# KiCad board helios-panel.kicad_pcb (continued)
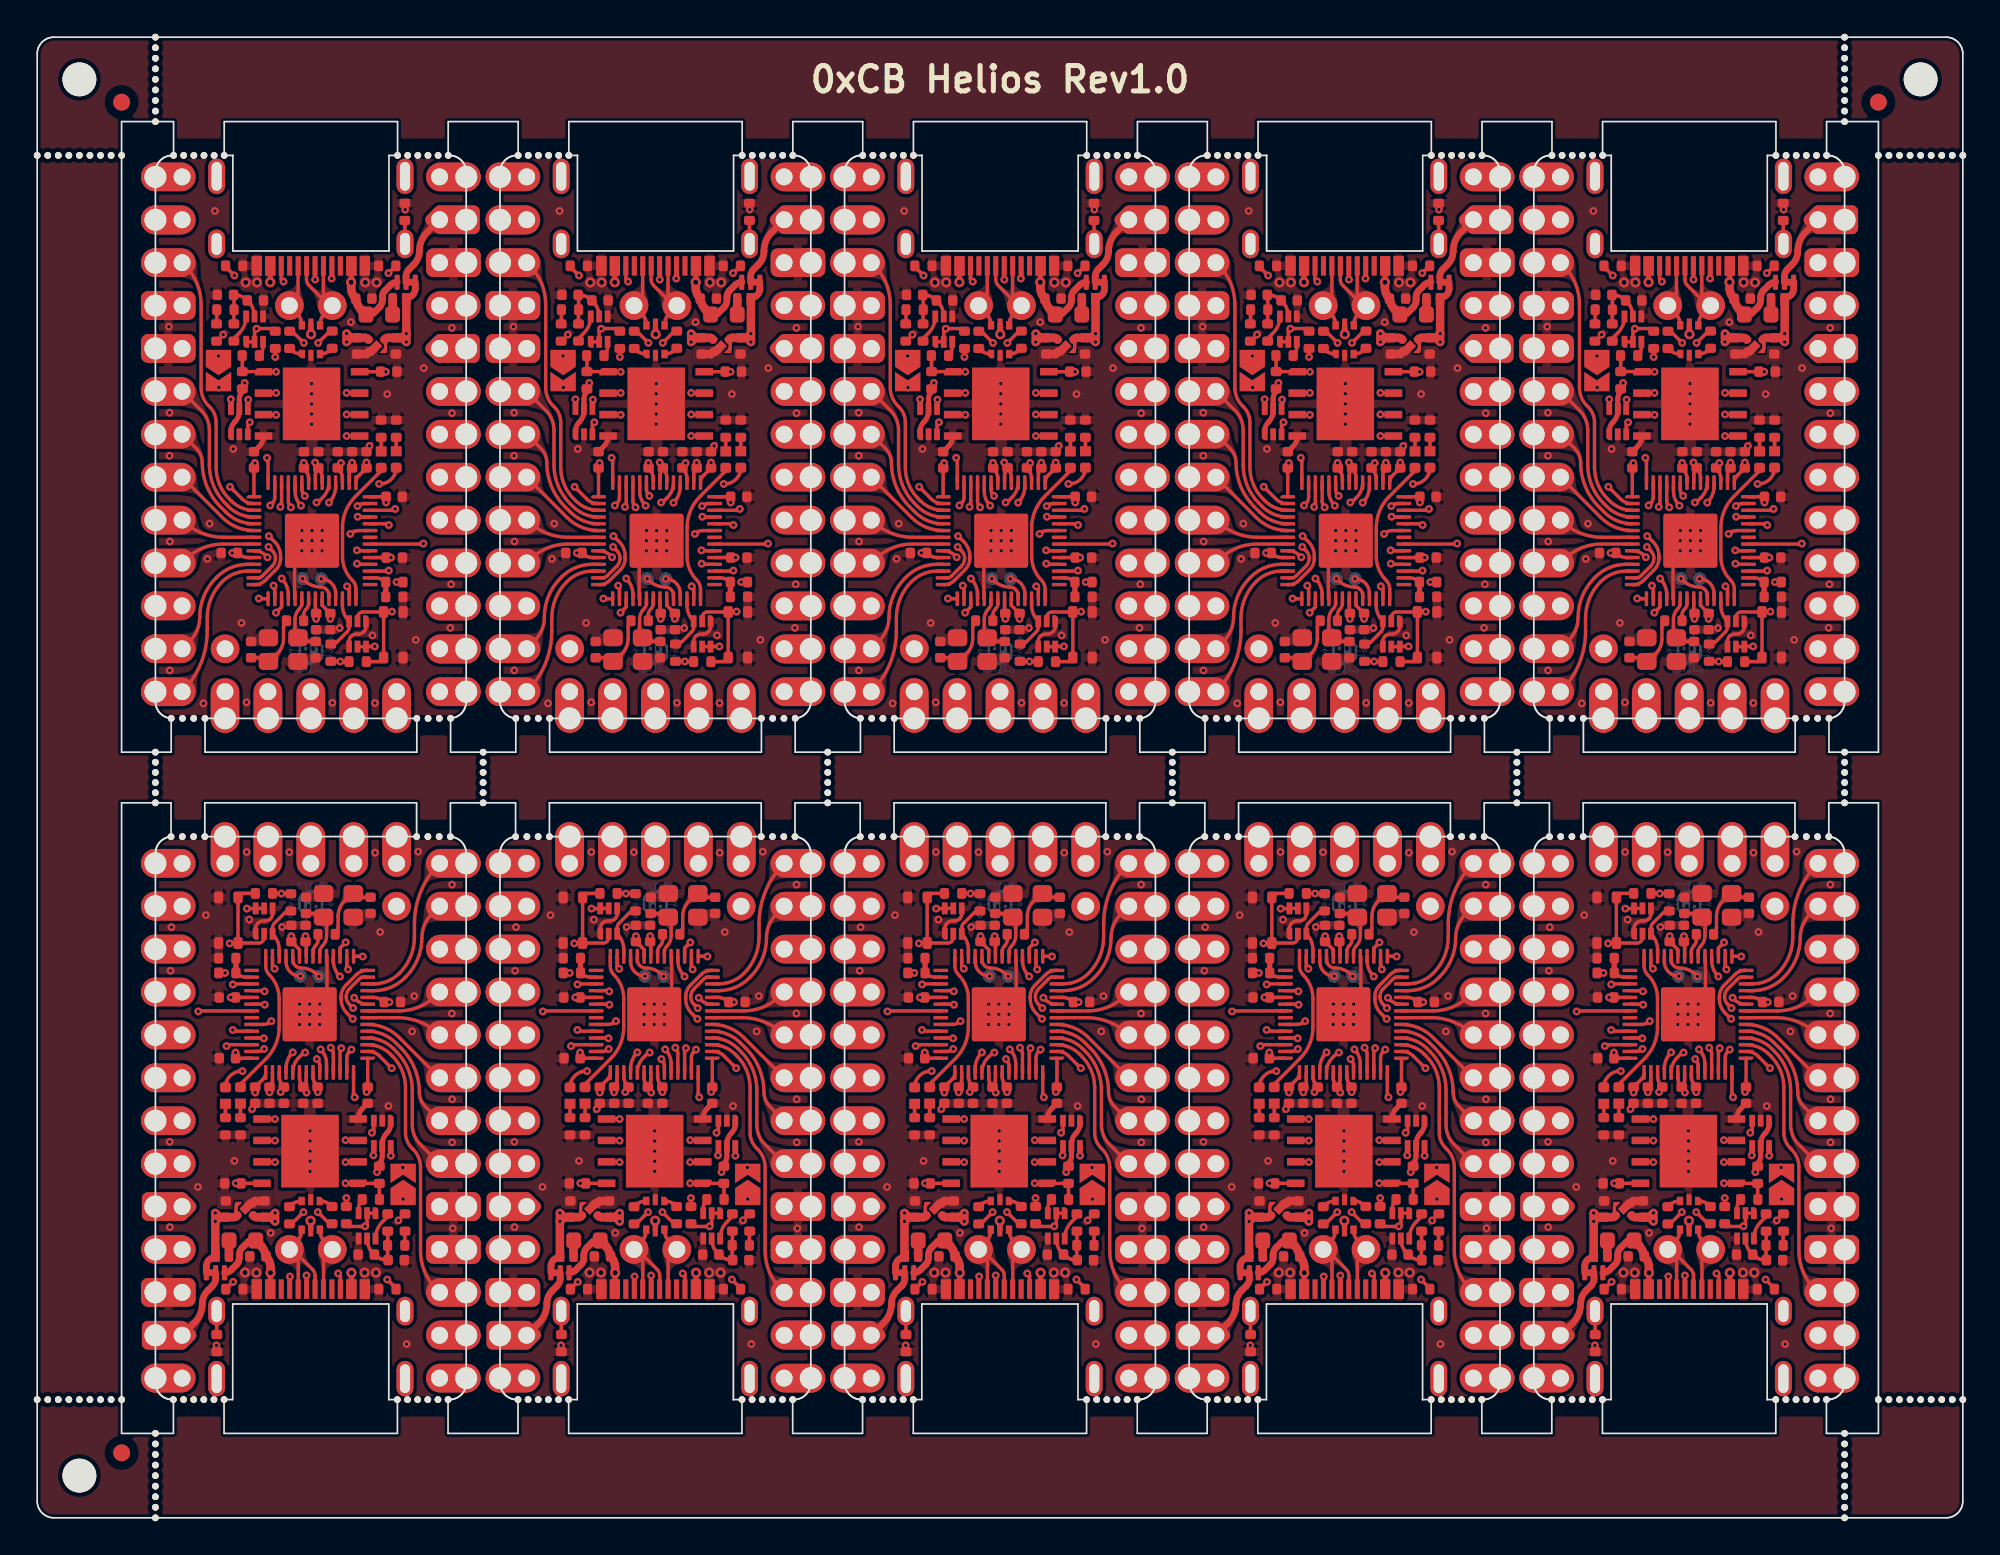
[diagram p0: board, top side]
## Copper pours and planes (outline as drawn; the poured copper is in the pictures) (continued)
Board_8-/PORT+ on Top: 78.25,14.35 78.27,14.51 78.3,14.63 78.35,14.73 78.41,14.81 78.49,14.87 78.59,14.92 78.69,14.97 78.81,15.02 78.93,15.07 79.06,15.13 78.93,16.23 77.82,15.89 77.83,15.7 77.84,15.54 77.87,15.4 77.9,15.28 77.97,15.03 78,14.9 78.03,14.75 78.05,14.57 78.06,14.35
Board_8-/PORT+ on In1.Cu: 77.46,14.7 77.6,14.83 77.74,14.92 77.86,14.98 77.98,15.01 78.1,15.02 78.23,15.02 78.36,15.02 78.5,15.02 78.66,15.03 78.84,15.06 79.01,16.15 77.91,16.28 77.83,16.1 77.78,15.94 77.75,15.8 77.7,15.54 77.67,15.41 77.63,15.28 77.56,15.14 77.46,15 77.32,14.84
Board_8-/PORT- on Top: 76.75,14.36 76.76,14.58 76.78,14.75 76.8,14.91 76.83,15.04 76.9,15.28 76.93,15.4 76.96,15.54 76.97,15.7 76.98,15.89 75.87,16.23 75.75,15.13 75.88,15.07 76.12,14.97 76.23,14.92 76.32,14.87 76.4,14.81 76.47,14.73 76.51,14.64 76.54,14.51 76.56,14.36
Board_8-/PORT- on Top: 77.49,14.86 77.35,15.01 77.25,15.16 77.18,15.29 77.13,15.42 77.1,15.55 77.05,15.82 77.02,15.96 76.96,16.12 76.88,16.29 75.79,16.14 75.98,15.05 76.15,15.03 76.31,15.02 76.45,15.03 76.58,15.03 76.71,15.03 76.83,15.02 76.95,14.99 77.07,14.93 77.2,14.84 77.35,14.72
Board_8-/PORT- on Top: 76.76,17.06 76.75,16.99 76.74,16.92 76.71,16.86 76.69,16.8 76.66,16.75 76.63,16.71 76.55,16.63 75.87,15.55 76.74,16.48 76.82,16.6 76.85,16.66 76.88,16.72 76.91,16.8 76.93,16.88 76.95,16.97 76.96,17.06
Board_8-/RAW on Top: 70.69,12.19 70.61,12.02 70.53,11.89 70.44,11.79 70.34,11.72 70.24,11.66 70.12,11.62 69.99,11.59 69.86,11.56 69.71,11.52 69.55,11.47 69.53,10.56 70.44,10.58 70.51,10.76 70.57,10.91 70.62,11.04 70.68,11.16 70.79,11.39 70.85,11.52 70.91,11.67 70.98,11.84 71.06,12.05
Board_8-/RESET on In2.Cu: 70.68,17.31 70.58,17.15 70.48,17.03 70.38,16.94 70.27,16.88 70.15,16.85 70.03,16.82 69.9,16.8 69.75,16.77 69.6,16.73 69.44,16.67 69.5,15.57 70.6,15.68 70.64,15.86 70.66,16.03 70.67,16.17 70.67,16.31 70.67,16.44 70.67,16.57 70.68,16.7 70.71,16.85 70.77,17.02 70.86,17.22
Board_8-/RGB_5V on In2.Cu: 82.22,34.52 82.31,34.71 82.41,34.87 82.5,34.99 82.59,35.1 82.69,35.19 82.78,35.27 82.88,35.37 82.98,35.47 83.09,35.6 83.2,35.76 82.52,36.63 81.68,35.92 81.74,35.76 81.82,35.62 81.9,35.5 81.97,35.39 82.04,35.28 82.09,35.17 82.12,35.05 82.12,34.92 82.1,34.77 82.03,34.6
Board_8-GND on Top: 71.81,18.28 71.81,19.28 75.19,19.28 75.19,18.28
Board_8-GND on Top, Bottom: 89.08,2.79 64.58,2.79 64.58,42.29 89.08,42.29
Board_8-Net-(C8-Pad2) on Top: 79.21,36.07 79.26,36.18 79.32,36.26 79.39,36.32 79.46,36.37 79.54,36.39 79.62,36.41 79.71,36.42 79.81,36.44 79.91,36.45 80.02,36.47 80.1,37.12 79.45,37.15 79.02,36.15
Board_8-Net-(J1-SHIELD) on Top: 71.93,11.25 71.94,11.36 71.95,11.46 71.97,11.54 72.01,11.61 72.04,11.67 72.09,11.73 72.13,11.79 72.18,11.86 72.23,11.93 72.28,12.03 71.82,12.49 71.38,12.02 71.43,11.93 71.48,11.85 71.53,11.78 71.57,11.73 71.62,11.67 71.65,11.61 71.68,11.54 71.71,11.46 71.72,11.36 71.73,11.25
Board_8-Net-(U4-XTAL_IN) on Top: 78.44,34.59 78.44,34.72 78.45,34.83 78.48,34.92 78.5,35 78.53,35.07 78.56,35.14 78.59,35.22 78.62,35.3 78.64,35.4 78.66,35.51 78.07,35.79 77.81,35.2 77.88,35.14 77.95,35.08 78.01,35.04 78.06,34.99 78.11,34.95 78.15,34.9 78.19,34.84 78.21,34.77 78.23,34.69 78.23,34.59
Board_9-+3V3 on In1.Cu, In2.Cu: 110.47,3.79 85.97,3.79 85.97,43.29 110.47,43.29
Board_9-/0_TX0 on In1.Cu: 104.62,12.37 104.72,12.2 104.78,12.05 104.8,11.91 104.8,11.78 104.78,11.66 104.74,11.53 104.7,11.4 104.65,11.26 104.61,11.1 104.58,10.92 105.55,10.41 106.03,11.4 105.88,11.54 105.75,11.65 105.62,11.74 105.5,11.81 105.39,11.88 105.27,11.96 105.16,12.04 105.04,12.16 104.92,12.3 104.79,12.48
Board_9-/1_RX0 on Top: 104.38,14.71 104.45,14.51 104.49,14.33 104.51,14.18 104.52,14.04 104.52,13.91 104.52,13.78 104.52,13.64 104.53,13.5 104.55,13.34 104.59,13.15 105.69,13.02 105.77,14.12 105.61,14.19 105.46,14.23 105.31,14.25 105.18,14.28 105.05,14.3 104.93,14.34 104.82,14.4 104.73,14.49 104.64,14.61 104.57,14.78
Board_9-/2_SDA1 on Top: 103.77,22.81 103.85,22.52 103.94,22.27 104.03,22.07 104.11,21.89 104.19,21.73 104.28,21.57 104.36,21.41 104.44,21.22 104.52,21.01 104.6,20.75 105.72,20.67 105.7,21.77 105.45,21.85 105.21,21.91 104.99,21.95 104.79,22 104.61,22.06 104.44,22.14 104.29,22.25 104.16,22.4 104.05,22.6 103.96,22.86
Board_9-/3_SCL1 on Top: 104.13,25.09 104.16,24.86 104.2,24.66 104.25,24.5 104.3,24.36 104.36,24.23 104.41,24.1 104.46,23.96 104.51,23.82 104.55,23.64 104.57,23.43 105.72,23.21 105.7,24.31 105.5,24.37 105.31,24.41 105.12,24.44 104.95,24.47 104.79,24.5 104.65,24.56 104.53,24.63 104.44,24.75 104.37,24.9 104.33,25.11
Board_9-/4 on Top: 104.15,27.17 104.29,27.02 104.38,26.89 104.44,26.76 104.48,26.63 104.5,26.51 104.51,26.38 104.52,26.25 104.54,26.1 104.57,25.95 104.62,25.77 105.72,25.75 105.7,26.85 105.52,26.9 105.37,26.93 105.22,26.95 105.09,26.96 104.96,26.97 104.84,26.99 104.71,27.03 104.58,27.09 104.45,27.18 104.3,27.32
Board_9-/5 on Top: 103.95,29.36 104.12,29.3 104.24,29.22 104.34,29.13 104.4,29.03 104.45,28.92 104.48,28.79 104.51,28.66 104.54,28.52 104.59,28.37 104.66,28.22 105.75,28.33 105.6,29.42 105.41,29.45 105.24,29.47 105.09,29.47 104.96,29.46 104.83,29.46 104.7,29.45 104.56,29.45 104.4,29.46 104.22,29.5 104.01,29.55
Board_9-/6 on Top: 104.06,30.09 104.27,30.15 104.45,30.19 104.6,30.22 104.74,30.23 104.87,30.23 105,30.23 105.13,30.23 105.27,30.24 105.44,30.26 105.63,30.31 105.75,31.4 104.65,31.48 104.58,31.32 104.54,31.16 104.52,31.02 104.49,30.88 104.47,30.75 104.43,30.64 104.37,30.53 104.29,30.43 104.16,30.35 104,30.28
Board_9-/7 on In2.Cu: 103.78,33.3 103.96,33.35 104.12,33.37 104.25,33.35 104.37,33.31 104.48,33.26 104.59,33.19 104.7,33.11 104.82,33.03 104.95,32.95 105.11,32.88 105.84,33.7 104.99,34.4 104.83,34.3 104.7,34.2 104.59,34.1 104.5,34 104.41,33.91 104.31,33.82 104.21,33.73 104.08,33.65 103.92,33.57 103.72,33.49
Board_9-/8 on Top: 104.54,34.82 104.6,34.99 104.67,35.11 104.77,35.19 104.87,35.25 104.99,35.28 105.13,35.3 105.27,35.32 105.42,35.34 105.58,35.37 105.74,35.42 105.7,36.53 104.6,36.42 104.55,36.24 104.52,36.08 104.5,35.93 104.49,35.8 104.47,35.55 104.45,35.41 104.43,35.26 104.39,35.08 104.34,34.87
Board_9-/9 on Top: 104.53,37.33 104.62,37.49 104.72,37.61 104.82,37.7 104.93,37.75 105.05,37.79 105.17,37.82 105.31,37.84 105.45,37.87 105.6,37.91 105.77,37.97 105.69,39.07 104.6,38.96 104.56,38.77 104.54,38.61 104.53,38.46 104.53,38.33 104.54,38.2 104.53,38.07 104.52,37.93 104.49,37.78 104.43,37.61 104.35,37.41
Board_9-/10 on In2.Cu: 104.39,9.64 104.47,9.44 104.51,9.26 104.54,9.11 104.55,8.97 104.54,8.84 104.54,8.71 104.53,8.57 104.54,8.43 104.56,8.26 104.59,8.07 105.69,7.94 105.78,9.04 105.62,9.11 105.47,9.15 105.32,9.18 105.19,9.21 105.07,9.24 104.95,9.28 104.85,9.34 104.75,9.43 104.66,9.55 104.58,9.72
Board_9-/11 on In1.Cu: 91.01,9.72 90.93,9.55 90.85,9.43 90.75,9.34 90.64,9.28 90.53,9.24 90.41,9.21 90.27,9.18 90.13,9.15 89.98,9.1 89.82,9.04 89.91,7.94 91.01,8.07 91.04,8.26 91.06,8.43 91.06,8.58 91.06,8.71 91.05,8.84 91.05,8.97 91.06,9.11 91.08,9.26 91.13,9.44 91.2,9.64
Board_9-/12 on In1.Cu: 101.93,37.36 102.03,37.52 102.14,37.63 102.25,37.71 102.37,37.77 102.49,37.8 102.61,37.82 102.74,37.84 102.89,37.87 103.04,37.91 103.21,37.97 103.16,39.07 102.06,38.98 102.02,38.79 102,38.63 101.99,38.49 101.99,38.22 101.98,38.09 101.96,37.96 101.92,37.81 101.85,37.65 101.75,37.46
Board_9-/13 on In1.Cu: 100.44,37.06 100.45,37.26 100.48,37.42 100.53,37.56 100.59,37.67 100.67,37.78 100.75,37.87 100.84,37.97 100.93,38.09 101.02,38.22 101.11,38.38 100.34,39.17 99.58,38.38 99.66,38.22 99.75,38.09 99.84,37.97 99.93,37.87 100.01,37.78 100.09,37.67 100.15,37.56 100.2,37.42 100.23,37.26 100.24,37.06
Board_9-/14 on In1.Cu: 98.97,37.5 98.87,37.68 98.8,37.84 98.75,37.98 98.73,38.12 98.71,38.24 98.7,38.51 98.69,38.65 98.66,38.81 98.61,38.99 97.51,39.06 97.49,37.96 97.66,37.9 97.81,37.87 97.96,37.85 98.1,37.83 98.22,37.81 98.34,37.78 98.46,37.74 98.58,37.66 98.69,37.55 98.8,37.39
Board_9-/15 on In1.Cu: 96.53,37.63 96.39,37.78 96.3,37.91 96.24,38.04 96.2,38.17 96.18,38.29 96.17,38.42 96.16,38.55 96.14,38.7 96.11,38.85 96.06,39.03 94.96,39.05 94.98,37.95 95.16,37.9 95.31,37.87 95.46,37.85 95.59,37.84 95.72,37.83 95.84,37.81 95.97,37.77 96.1,37.71 96.23,37.62 96.38,37.48
Board_9-/16 on In1.Cu: 93.97,37.58 93.85,37.74 93.76,37.89 93.71,38.03 93.67,38.16 93.65,38.29 93.64,38.41 93.63,38.55 93.61,38.69 93.58,38.85 93.52,39.03 92.42,39.05 92.44,37.95 92.62,37.9 92.77,37.87 92.92,37.85 93.06,37.84 93.19,37.83 93.31,37.81 93.43,37.77 93.55,37.7 93.68,37.6 93.81,37.45
Board_9-/20_SDI on In1.Cu: 91.45,32.55 91.31,32.7 91.22,32.83 91.16,32.96 91.12,33.09 91.1,33.21 91.09,33.34 91.08,33.47 91.06,33.62 91.03,33.77 90.98,33.95 89.88,33.97 89.9,32.87 90.08,32.82 90.23,32.79 90.38,32.77 90.51,32.76 90.64,32.75 90.76,32.73 90.89,32.69 91.02,32.63 91.15,32.54 91.3,32.4
Board_9-/21_CS on In1.Cu: 91.45,37.63 91.31,37.78 91.22,37.91 91.16,38.04 91.12,38.17 91.1,38.29 91.09,38.42 91.08,38.55 91.06,38.7 91.03,38.85 90.98,39.03 89.88,39.05 89.9,37.95 90.08,37.9 90.23,37.87 90.38,37.85 90.51,37.84 90.64,37.83 90.76,37.81 90.89,37.77 91.02,37.71 91.15,37.62 91.3,37.48
Board_9-/22_SCK on In1.Cu: 91.69,30.47 91.52,30.51 91.39,30.57 91.29,30.65 91.22,30.74 91.17,30.85 91.13,30.97 91.09,31.1 91.05,31.23 91,31.38 90.93,31.53 89.84,31.38 90.05,30.29 90.24,30.27 90.41,30.26 90.55,30.26 90.69,30.27 90.95,30.3 91.09,30.31 91.25,30.31 91.43,30.3 91.65,30.27
Board_9-/23_SDO on In2.Cu: 91.2,34.84 91.14,35.05 91.1,35.22 91.08,35.38 91.08,35.52 91.07,35.65 91.08,35.78 91.07,35.91 91.07,36.06 91.05,36.22 91.01,36.41 89.91,36.54 89.82,35.44 89.99,35.38 90.14,35.33 90.28,35.31 90.42,35.28 90.55,35.25 90.66,35.22 90.77,35.16 90.86,35.07 90.94,34.94 91.01,34.78
Board_9-/A0 on In1.Cu: 91.83,28.98 91.61,29 91.42,29.03 91.27,29.07 91.13,29.12 91.01,29.18 90.89,29.25 90.77,29.31 90.62,29.36 90.46,29.41 90.26,29.44 89.78,28.44 90.79,28 90.9,28.12 90.99,28.24 91.14,28.46 91.22,28.55 91.3,28.63 91.4,28.69 91.51,28.74 91.66,28.77 91.83,28.78
Board_9-/A1 on In1.Cu: 91.3,27.32 91.15,27.18 91.02,27.09 90.89,27.03 90.76,26.99 90.64,26.97 90.51,26.96 90.38,26.95 90.23,26.93 90.08,26.9 89.9,26.85 89.88,25.75 90.98,25.77 91.03,25.95 91.06,26.1 91.08,26.25 91.09,26.38 91.1,26.51 91.12,26.63 91.16,26.76 91.22,26.89 91.31,27.02 91.45,27.17
Board_9-/A2 on In1.Cu: 91.3,24.78 91.15,24.64 91.02,24.55 90.89,24.49 90.76,24.45 90.64,24.43 90.51,24.42 90.38,24.41 90.23,24.39 90.08,24.36 89.9,24.31 89.88,23.21 90.98,23.23 91.03,23.41 91.06,23.56 91.08,23.71 91.09,23.84 91.1,23.97 91.12,24.09 91.16,24.22 91.22,24.35 91.31,24.48 91.45,24.63
Board_9-/A3 on In1.Cu: 91.3,22.24 91.15,22.1 91.02,22.01 90.89,21.95 90.76,21.91 90.64,21.89 90.51,21.88 90.38,21.87 90.23,21.85 90.08,21.82 89.9,21.77 89.88,20.67 90.98,20.69 91.03,20.87 91.06,21.02 91.08,21.17 91.09,21.3 91.1,21.43 91.12,21.55 91.16,21.68 91.22,21.81 91.31,21.94 91.45,22.09
Board_9-/PORT+ on Top: 98.23,17.06 98.24,16.97 98.26,16.88 98.28,16.8 98.31,16.72 98.35,16.65 98.38,16.6 98.46,16.48 99.33,15.56 98.64,16.62 98.56,16.71 98.53,16.75 98.5,16.8 98.48,16.86 98.45,16.92 98.44,16.99 98.43,17.06
Board_9-/PORT+ on Top: 98.66,14.35 98.67,14.51 98.7,14.63 98.75,14.73 98.81,14.81 98.89,14.87 98.99,14.92 99.09,14.97 99.21,15.02 99.33,15.07 99.46,15.13 99.33,16.23 98.22,15.89 98.23,15.7 98.24,15.54 98.27,15.4 98.3,15.28 98.37,15.03 98.4,14.9 98.43,14.75 98.45,14.57 98.45,14.35
Board_9-/PORT+ on In1.Cu: 97.86,14.7 98,14.83 98.14,14.92 98.26,14.98 98.38,15.01 98.5,15.02 98.63,15.02 98.76,15.02 98.9,15.02 99.06,15.03 99.24,15.06 99.41,16.15 98.31,16.28 98.23,16.1 98.18,15.94 98.15,15.8 98.1,15.54 98.07,15.41 98.03,15.28 97.96,15.14 97.86,15 97.72,14.84
Board_9-/PORT- on Top: 97.16,14.36 97.16,14.58 97.18,14.75 97.2,14.91 97.23,15.04 97.3,15.28 97.33,15.4 97.36,15.54 97.37,15.7 97.38,15.89 96.27,16.23 96.15,15.13 96.28,15.07 96.52,14.97 96.63,14.92 96.72,14.87 96.8,14.81 96.87,14.73 96.91,14.64 96.94,14.51 96.95,14.36
Board_9-/PORT- on Top: 97.89,14.86 97.75,15.01 97.65,15.16 97.58,15.29 97.53,15.42 97.5,15.55 97.45,15.82 97.42,15.96 97.36,16.12 97.28,16.29 96.19,16.14 96.38,15.05 96.55,15.03 96.71,15.02 96.85,15.03 96.98,15.03 97.11,15.03 97.23,15.02 97.35,14.99 97.47,14.93 97.6,14.84 97.75,14.72
Board_9-/PORT- on Top: 97.16,17.06 97.15,16.99 97.14,16.92 97.11,16.86 97.09,16.8 97.06,16.75 97.03,16.71 96.95,16.63 96.27,15.55 97.14,16.48 97.22,16.6 97.25,16.66 97.28,16.72 97.31,16.8 97.33,16.88 97.35,16.97 97.36,17.06
Board_9-/RAW on Top: 91.09,12.19 91.01,12.02 90.93,11.89 90.84,11.79 90.74,11.72 90.64,11.66 90.52,11.62 90.39,11.59 90.26,11.56 90.11,11.52 89.95,11.47 89.93,10.56 90.84,10.58 90.91,10.76 90.97,10.91 91.02,11.04 91.08,11.16 91.19,11.39 91.25,11.52 91.31,11.67 91.38,11.84 91.46,12.05
Board_9-/RESET on In2.Cu: 91.08,17.31 90.98,17.15 90.88,17.03 90.78,16.94 90.67,16.88 90.55,16.85 90.43,16.82 90.3,16.8 90.15,16.77 90,16.73 89.84,16.67 89.9,15.57 91,15.68 91.04,15.86 91.06,16.03 91.07,16.17 91.07,16.31 91.07,16.44 91.07,16.57 91.08,16.7 91.11,16.85 91.17,17.02 91.26,17.22
Board_9-/RGB_5V on In2.Cu: 102.62,34.52 102.71,34.71 102.81,34.87 102.9,34.99 102.99,35.1 103.09,35.19 103.18,35.27 103.28,35.37 103.38,35.47 103.49,35.6 103.6,35.76 102.92,36.63 102.08,35.92 102.14,35.76 102.22,35.62 102.3,35.5 102.37,35.39 102.44,35.28 102.49,35.17 102.52,35.05 102.52,34.92 102.5,34.77 102.43,34.6
Board_9-GND on Top: 92.22,18.28 92.2,19.28 95.59,19.28 95.59,18.28
Board_9-GND on Top, Bottom: 109.47,2.79 84.97,2.79 84.97,42.29 109.47,42.29
Board_9-Net-(C8-Pad2) on Top: 99.61,36.07 99.66,36.18 99.72,36.26 99.79,36.32 99.86,36.37 99.94,36.39 100.02,36.41 100.11,36.42 100.21,36.44 100.31,36.45 100.42,36.47 100.5,37.12 99.85,37.15 99.42,36.15
Board_9-Net-(J1-SHIELD) on Top: 92.33,11.25 92.34,11.36 92.35,11.46 92.37,11.54 92.41,11.61 92.44,11.67 92.49,11.73 92.53,11.79 92.58,11.86 92.63,11.93 92.68,12.03 92.22,12.49 91.78,12.02 91.83,11.93 91.88,11.85 91.93,11.78 91.97,11.73 92.02,11.67 92.05,11.61 92.08,11.54 92.11,11.46 92.12,11.36 92.13,11.25
Board_9-Net-(U4-XTAL_IN) on Top: 98.83,34.59 98.84,34.72 98.85,34.83 98.88,34.92 98.9,35 98.93,35.07 98.96,35.14 98.99,35.22 99.02,35.3 99.04,35.4 99.06,35.51 98.47,35.79 98.21,35.2 98.28,35.14 98.35,35.08 98.41,35.04 98.46,34.99 98.51,34.95 98.55,34.9 98.59,34.84 98.61,34.77 98.63,34.69 98.64,34.59

Small or netless copper shapes (teardrops, artwork), in the pictures only: 1840 on Top, 310 on In1.Cu, 260 on In2.Cu

## Text on the board
F.Silkscreen: 0xCB Helios Rev1.0
